# Altium PCB GEM_AFE_128.PcbDoc (part 8 of 18)
Units mm, origin at the board's own origin, x right, y up, seen from the top; angles counter-clockwise.
Board outline 112 x 81.5 mm, 8 copper layers (Top Layer, L1, L2, L3, L4, L5, L6, Bottom Layer), stack 1.52 mm thick; 1880 components, 1258 nets, 6287 pads, 2369 vias.
Unrouted connection lines stored in the file: 4.
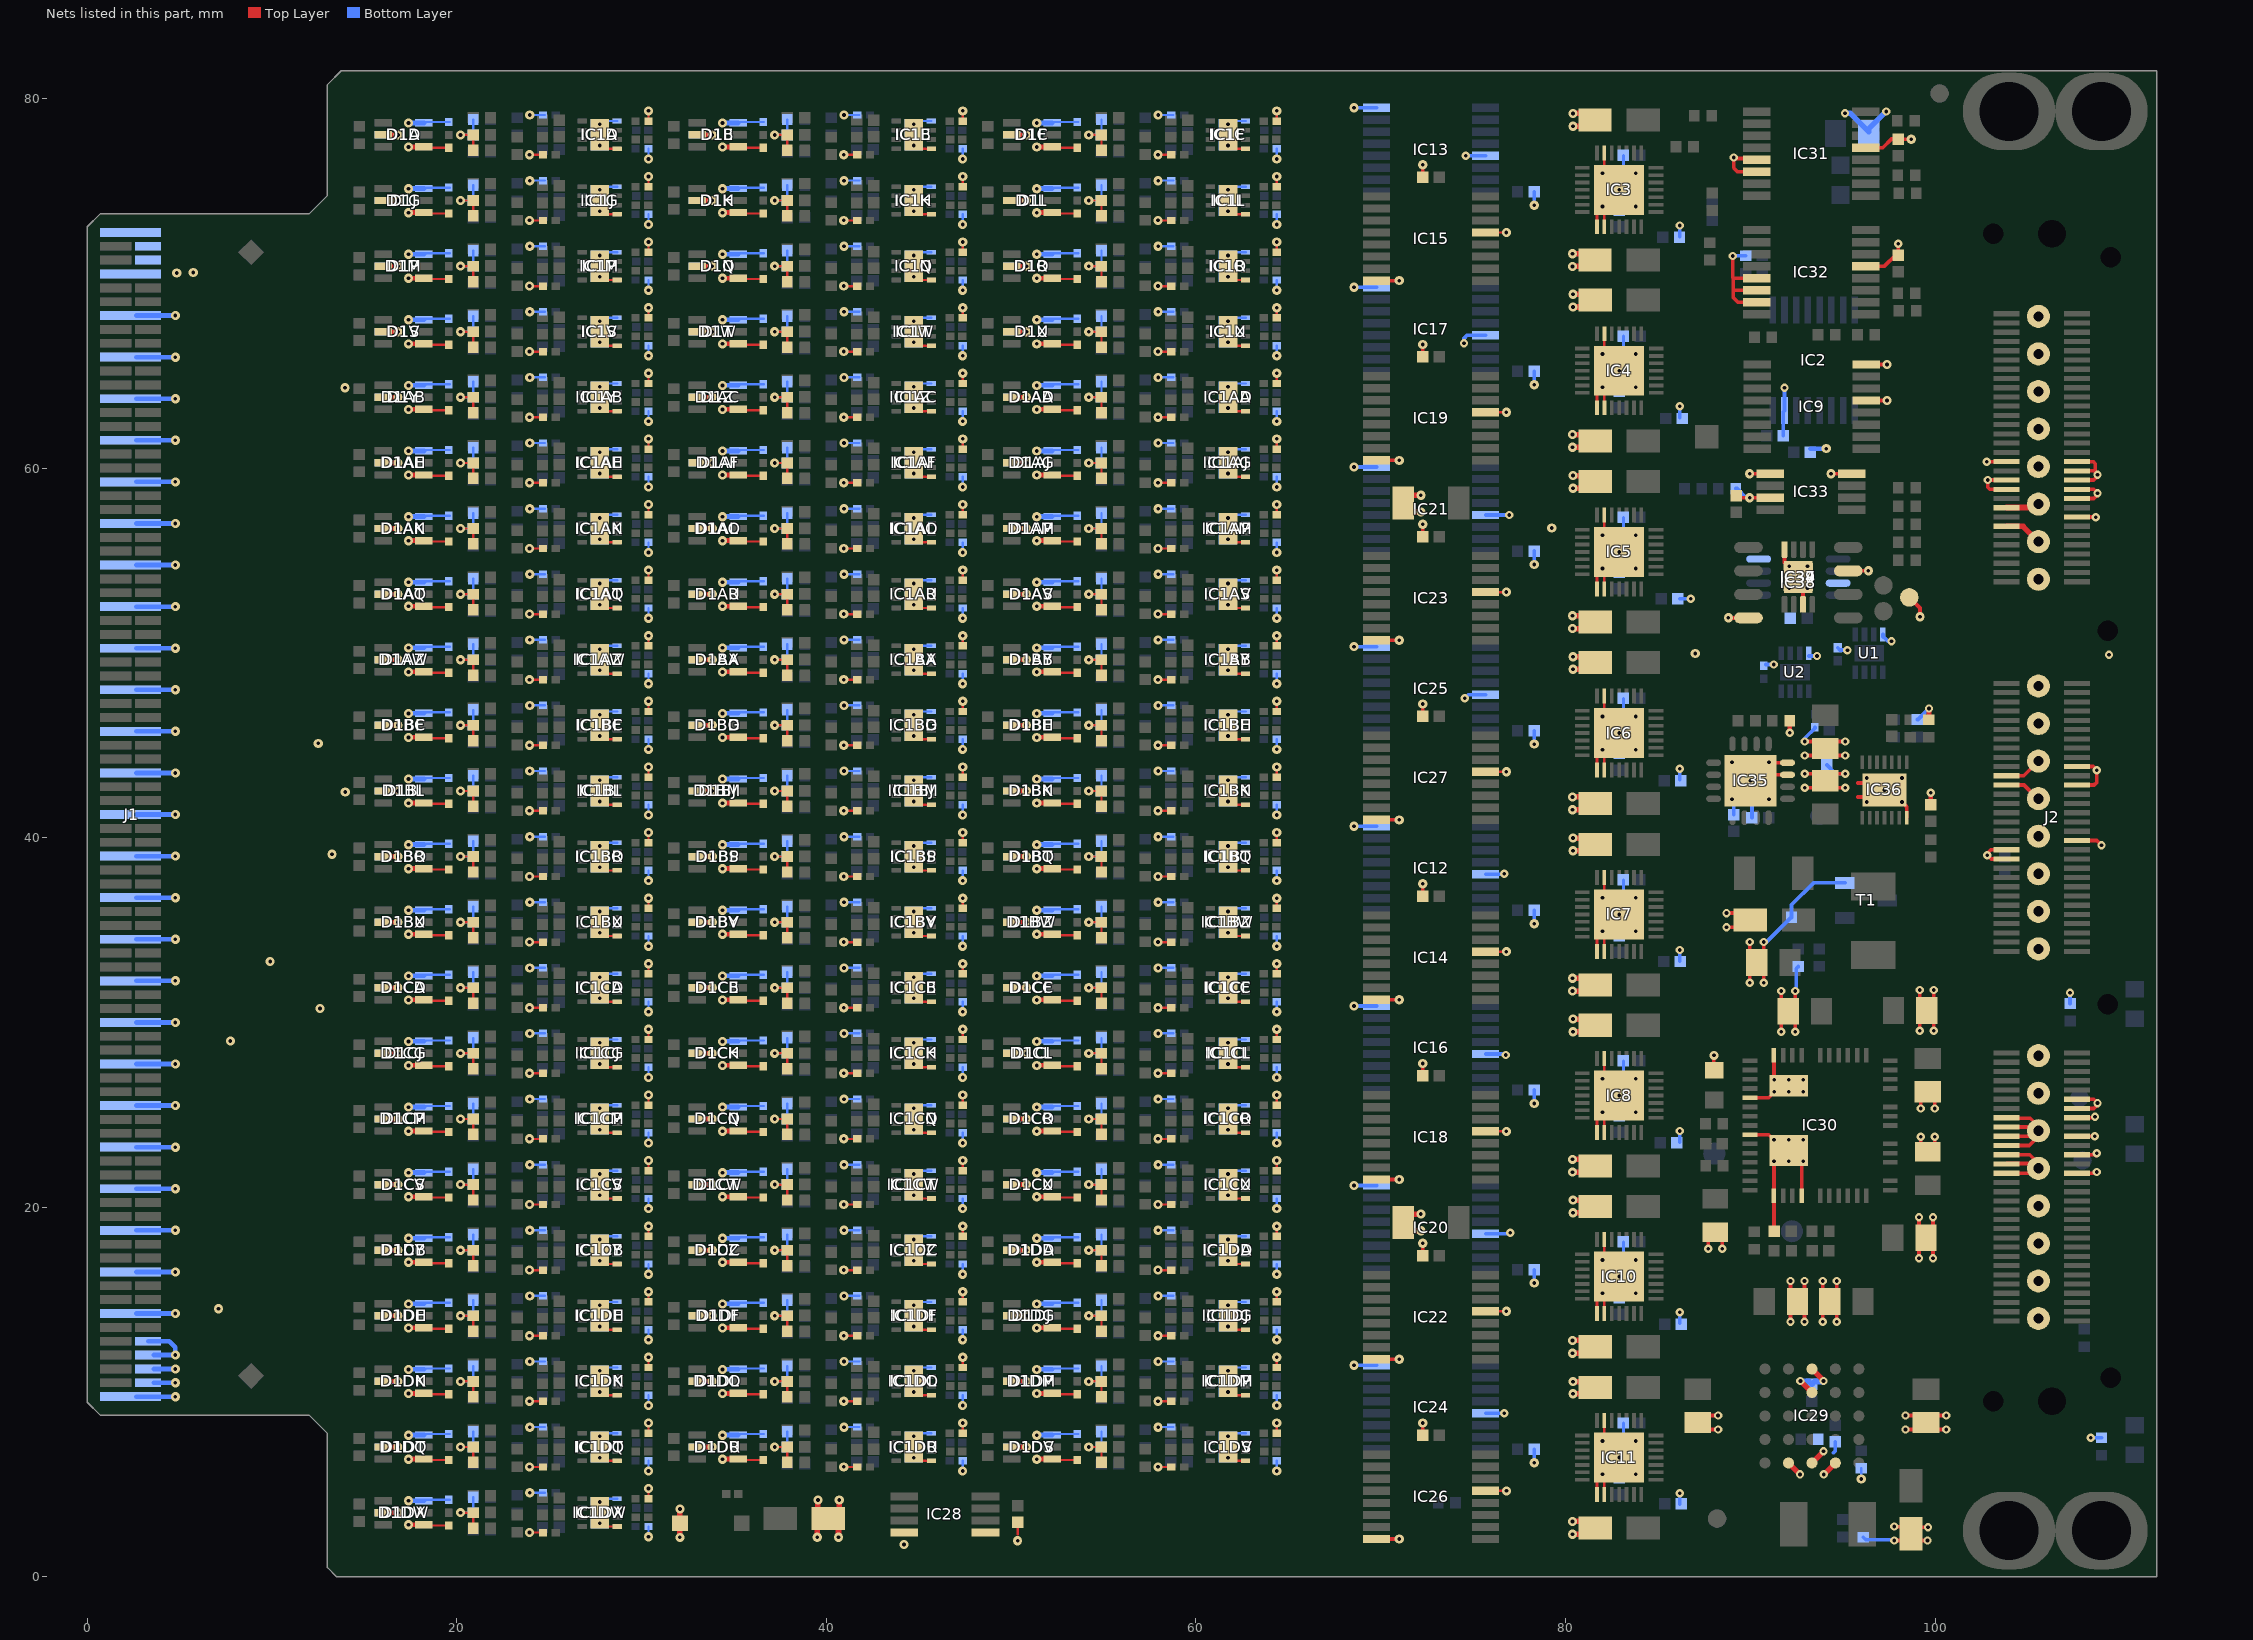
[diagram p14: the nets of this part, all layers, seen from the top]

## Via types
v1: diameter 0.5, hole 0.2, Top Layer to Bottom Layer, tented both sides, 1849 vias
v2: diameter 0.45, hole 0.2, Top Layer to Bottom Layer, tented both sides, 506 vias
v3: diameter 0.45, hole 0.2, Top Layer to Bottom Layer, 14 vias

## Nets (pads, with @x,y where several pads share a name; then routed paths per layer and width w, separated by ;. In a path a pad name is that pad's centre, name@x,y a point inside that pad or via, vN(x,y) a via of type N, cw(c..) or ccw(c..) an arc to the next point about the centre after c; other vN are vias at no path point) (continued)
GND: B3.1 C3A.1 C3AA.1 C3AB.1 C3AC.1 C3AD.1 C3AE.1 C3AF.1 C3AG.1 C3AH.1 C3AI.1 C3AJ.1 C3AK.1 C3AL.1 C3AM.1 C3AN.1 C3AO.1 C3AP.1 C3AQ.1 C3AR.1 C3AS.1 C3AT.1 C3AU.1 C3AV.1 C3AW.1 C3AX.1 C3AY.1 C3AZ.1 C3B.1 C3BA.1 C3BB.1 C3BC.1 C3BD.1 C3BE.1 C3BF.1 C3BG.1 C3BH.1 C3BI.1 C3BJ.1 C3BK.1 C3BL.1 C3BM.1 C3BN.1 C3BO.1 C3BP.1 C3BQ.1 C3BR.1 C3BS.1 C3BT.1 C3BU.1 C3BV.1 C3BW.1 C3BX.1 C3BY.1 C3BZ.1 C3C.1 C3CA.1 C3CB.1 C3CC.1 C3CD.1 C3CE.1 C3CF.1 C3CG.1 C3CH.1 C3CI.1 C3CJ.1 C3CK.1 C3CL.1 C3CM.1 C3CN.1 C3CO.1 C3CP.1 C3CQ.1 C3CR.1 C3CS.1 C3CT.1 C3CU.1 C3CV.1 C3CW.1 C3CX.1 C3CY.1 C3CZ.1 C3D.1 C3DA.1 C3DB.1 C3DC.1 C3DD.1 C3DE.1 C3DF.1 C3DG.1 C3DH.1 C3DI.1 C3DJ.1 C3DK.1 C3DL.1 C3DM.1 C3DN.1 C3DO.1 C3DP.1 C3DQ.1 C3DR.1 C3DS.1 C3DT.1 C3DU.1 C3DV.1 C3DW.1 C3DX.1 C3E.1 C3F.1 C3G.1 C3H.1 C3I.1 C3J.1 C3K.1 C3L.1 C3M.1 C3N.1 C3O.1 C3P.1 C3Q.1 C3R.1 C3S.1 C3T.1 C3U.1 C3V.1 C3W.1 C3X.1 C3Y.1 C3Z.1 C4A.1 C4AA.1 C4AB.1 C4AC.1 C4AD.1 C4AE.1 C4AF.1 C4AG.1 C4AH.1 C4AI.1 C4AJ.1 C4AK.1 C4AL.1 C4AM.1 C4AN.1 C4AO.1 C4AP.1 C4AQ.1 C4AR.1 C4AS.1 C4AT.1 C4AU.1 C4AV.1 C4AW.1 C4AX.1 C4AY.1 C4AZ.1 C4B.1 C4BA.1 C4BB.1 C4BC.1 C4BD.1 C4BE.1 C4BF.1 C4BG.1 C4BH.1 C4BI.1 C4BJ.1 C4BK.1 C4BL.1 C4BM.1 C4BN.1 C4BO.1 C4BP.1 C4BQ.1 C4BR.1 C4BS.1 C4BT.1 C4BU.1 C4BV.1 C4BW.1 C4BX.1 C4BY.1 C4BZ.1 C4C.1 C4CA.1 C4CB.1 C4CC.1 C4CD.1 C4CE.1 C4CF.1 C4CG.1 C4CH.1 C4CI.1 C4CJ.1 C4CK.1 C4CL.1 C4CM.1 C4CN.1 C4CO.1 C4CP.1 C4CQ.1 C4CR.1 C4CS.1 C4CT.1 C4CU.1 C4CV.1 C4CW.1 C4CX.1 C4CY.1 C4CZ.1 C4D.1 C4DA.1 C4DB.1 C4DC.1 C4DD.1 C4DE.1 C4DF.1 C4DG.1 C4DH.1 C4DI.1 C4DJ.1 C4DK.1 C4DL.1 C4DM.1 C4DN.1 C4DO.1 C4DP.1 C4DQ.1 C4DR.1 C4DS.1 C4DT.1 C4DU.1 C4DV.1 C4DW.1 C4DX.1 C4E.1 C4F.1 C4G.1 C4H.1 C4I.1 C4J.1 C4K.1 C4L.1 C4M.1 C4N.1 C4O.1 C4P.1 C4Q.1 C4R.1 C4S.1 C4T.1 C4U.1 C4V.1 C4W.1 C4X.1 C4Y.1 C4Z.1 C5.1 C6A.1 C6AA.1 C6AB.1 C6AC.1 C6AD.1 C6AE.1 C6AF.1 C6AG.1 C6AH.1 C6AI.1 C6AJ.1 C6AK.1 C6AL.1 C6AM.1 C6AN.1 C6AO.1 C6AP.1 C6AQ.1 C6AR.1 C6AS.1 C6AT.1 C6AU.1 C6AV.1 C6AW.1 C6AX.1 C6AY.1 C6AZ.1 C6B.1 C6BA.1 C6BB.1 C6BC.1 C6BD.1 C6BE.1 C6BF.1 C6BG.1 C6BH.1 C6BI.1 C6BJ.1 C6BK.1 C6BL.1 C6BM.1 C6BN.1 C6BO.1 C6BP.1 C6BQ.1 C6BR.1 C6BS.1 C6BT.1 C6BU.1 C6BV.1 C6BW.1 C6BX.1 C6BY.1 C6BZ.1 C6C.1 C6CA.1 C6CB.1 C6CC.1 C6CD.1 C6CE.1 C6CF.1 C6CG.1 C6CH.1 C6CI.1 C6CJ.1 C6CK.1 C6CL.1 C6CM.1 C6CN.1 C6CO.1 C6CP.1 C6CQ.1 C6CR.1 C6CS.1 C6CT.1 C6CU.1 C6CV.1 C6CW.1 C6CX.1 C6CY.1 C6CZ.1 C6D.1 C6DA.1 C6DB.1 C6DC.1 C6DD.1 C6DE.1 C6DF.1 C6DG.1 C6DH.1 C6DI.1 C6DJ.1 C6DK.1 C6DL.1 C6DM.1 C6DN.1 C6DO.1 C6DP.1 C6DQ.1 C6DR.1 C6DS.1 C6DT.1 C6DU.1 C6DV.1 C6DW.1 C6DX.1 C6E.1 C6F.1 C6G.1 C6H.1 C6I.1 C6J.1 C6K.1 C6L.1 C6M.1 C6N.1 C6O.1 C6P.1 C6Q.1 C6R.1 C6S.1 C6T.1 C6U.1 C6V.1 C6W.1 C6X.1 C6Y.1 C6Z.1 C7.1 C9.1 C10.1 C11.2 C12.1 C13.2 C14.1 C15.2 C16.1 C17.2 C18.1 C19.1 C20.1 C21.2 C22.1 C23.2 C24.1 C25.2 C26.1 C27.2 C28.1 C29.1 C30.1 C31.2 C32.1 C33.2 C34.1 C35.2 C36.1 C37.2 C38.1 C39.1 C40.1 C41.1 C42.2 C43.1 C44.2 C45.1 C46.2 C47.1 C48.2 C49.1 C50.1 C51.1 C52.1 C53.1 C54.1 C55.1 C56.1 C57.1 C58.1 C59.1 C60.1 C61.1 C62.1 C63.1 C64.1 C65.1 C66.1 C67.1 C68.1 C69.1 C70.1 C71.1 C72.1 C73.1 C74.1 C75.2 C76.2 C77.1 C78.2 C79.2 C80.2 C81.1 C82.1 C83.1 C84.1 C85.2 C86.1 C88.1 C89.1 C90.1 C91.1 C94.1 C95.1 C96.1 C97.2 C98.1 C99.1 C100.2 D1A.2 D1A.4 D1AA.2 D1AA.4 D1AB.2 D1AB.4 D1AC.2 D1AC.4 D1AD.2 D1AD.4 D1AE.2 D1AE.4 D1AF.2 D1AF.4 D1AG.2 D1AG.4 D1AH.2 D1AH.4 D1AI.2 D1AI.4 D1AJ.2 D1AJ.4 D1AK.2 D1AK.4 D1AL.2 D1AL.4 D1AM.2 D1AM.4 D1AN.2 D1AN.4 D1AO.2 D1AO.4 D1AP.2 D1AP.4 D1AQ.2 D1AQ.4 D1AR.2 D1AR.4 D1AS.2 D1AS.4 D1AT.2 D1AT.4 D1AU.2 D1AU.4 D1AV.2 D1AV.4 D1AW.2 D1AW.4 D1AX.2 D1AX.4 D1AY.2 D1AY.4 D1AZ.2 D1AZ.4 D1B.2 D1B.4 D1BA.2 D1BA.4 D1BB.2 D1BB.4 D1BC.2 D1BC.4 D1BD.2 D1BD.4 D1BE.2 D1BE.4 D1BF.2 D1BF.4 D1BG.2 D1BG.4 D1BH.2 D1BH.4 D1BI.2 D1BI.4 D1BJ.2 D1BJ.4 D1BK.2 D1BK.4 D1BL.2 D1BL.4 D1BM.2 D1BM.4 D1BN.2 D1BN.4 D1BO.2 D1BO.4 D1BP.2 D1BP.4 D1BQ.2 D1BQ.4 D1BR.2 D1BR.4 D1BS.2 D1BS.4 D1BT.2 D1BT.4 D1BU.2 D1BU.4 D1BV.2 D1BV.4 D1BW.2 D1BW.4 D1BX.2 D1BX.4 D1BY.2 D1BY.4 D1BZ.2 D1BZ.4 D1C.2 D1C.4 D1CA.2 D1CA.4 D1CB.2 D1CB.4 D1CC.2 D1CC.4 D1CD.2 D1CD.4 D1CE.2 D1CE.4 D1CF.2 D1CF.4 D1CG.2 D1CG.4 D1CH.2 D1CH.4 D1CI.2 D1CI.4 D1CJ.2 D1CJ.4 D1CK.2 D1CK.4 D1CL.2 D1CL.4 D1CM.2 D1CM.4 D1CN.2 D1CN.4 D1CO.2 D1CO.4 D1CP.2 D1CP.4 D1CQ.2 D1CQ.4 D1CR.2 D1CR.4 D1CS.2 D1CS.4 D1CT.2 D1CT.4 D1CU.2 D1CU.4 D1CV.2 D1CV.4 D1CW.2 D1CW.4 D1CX.2 D1CX.4 D1CY.2 D1CY.4 D1CZ.2 D1CZ.4 D1D.2 D1D.4 D1DA.2 D1DA.4 D1DB.2 D1DB.4 D1DC.2 D1DC.4 D1DD.2 D1DD.4 D1DE.2 D1DE.4 D1DF.2 D1DF.4 D1DG.2 D1DG.4 D1DH.2 D1DH.4 D1DI.2 D1DI.4 D1DJ.2 D1DJ.4 D1DK.2 D1DK.4 D1DL.2 D1DL.4 D1DM.2 D1DM.4 D1DN.2 D1DN.4 D1DO.2 D1DO.4 D1DP.2 D1DP.4 D1DQ.2 D1DQ.4 D1DR.2 D1DR.4 D1DS.2 D1DS.4 D1DT.2 D1DT.4 D1DU.2 D1DU.4 D1DV.2 D1DV.4 D1DW.2 D1DW.4 D1DX.2 D1DX.4 D1E.2 D1E.4 D1F.2 D1F.4 D1G.2 D1G.4 D1H.2 D1H.4 D1I.2 D1I.4 D1J.2 D1J.4 D1K.2 D1K.4 D1L.2 D1L.4 D1M.2 D1M.4 D1N.2 D1N.4 D1O.2 D1O.4 D1P.2 D1P.4 D1Q.2 D1Q.4 D1R.2 D1R.4 D1S.2 D1S.4 D1T.2 D1T.4 D1U.2 D1U.4 D1V.2 D1V.4 D1W.2 D1W.4 D1X.2 D1X.4 D1Y.2 D1Y.4 D1Z.2 D1Z.4 D2.2 IC1A.5 IC1A.9 IC1AA.5 IC1AA.9 IC1AB.5 IC1AB.9 IC1AC.5 IC1AC.9 IC1AD.5 IC1AD.9 IC1AE.5 IC1AE.9 IC1AF.5 IC1AF.9 IC1AG.5 IC1AG.9 IC1AH.5 IC1AH.9 IC1AI.5 IC1AI.9 IC1AJ.5 IC1AJ.9 IC1AK.5 IC1AK.9 IC1AL.5 IC1AL.9 IC1AM.5 IC1AM.9 IC1AN.5 IC1AN.9 IC1AO.5 IC1AO.9 IC1AP.5 IC1AP.9 IC1AQ.5 IC1AQ.9 IC1AR.5 IC1AR.9 IC1AS.5 IC1AS.9 IC1AT.5 IC1AT.9 IC1AU.5 IC1AU.9 IC1AV.5 IC1AV.9 IC1AW.5 IC1AW.9 IC1AX.5 IC1AX.9 IC1AY.5 IC1AY.9 IC1AZ.5 IC1AZ.9 IC1B.5 IC1B.9 IC1BA.5 IC1BA.9 IC1BB.5 IC1BB.9 IC1BC.5 IC1BC.9 IC1BD.5 IC1BD.9 IC1BE.5 IC1BE.9 IC1BF.5 IC1BF.9 IC1BG.5 IC1BG.9 IC1BH.5 IC1BH.9 IC1BI.5 IC1BI.9 IC1BJ.5 IC1BJ.9 IC1BK.5 IC1BK.9 IC1BL.5 IC1BL.9 IC1BM.5 IC1BM.9 IC1BN.5 IC1BN.9 IC1BO.5 IC1BO.9 IC1BP.5 IC1BP.9 IC1BQ.5 IC1BQ.9 IC1BR.5 IC1BR.9 IC1BS.5 IC1BS.9 IC1BT.5 IC1BT.9 IC1BU.5 IC1BU.9 IC1BV.5 IC1BV.9 IC1BW.5 IC1BW.9 IC1BX.5 IC1BX.9 IC1BY.5 IC1BY.9 IC1BZ.5 IC1BZ.9 IC1C.5 IC1C.9 IC1CA.5 IC1CA.9 IC1CB.5 IC1CB.9 IC1CC.5 IC1CC.9 IC1CD.5 IC1CD.9 IC1CE.5 IC1CE.9 IC1CF.5 IC1CF.9 IC1CG.5 IC1CG.9 IC1CH.5 IC1CH.9 IC1CI.5 IC1CI.9 IC1CJ.5 IC1CJ.9 IC1CK.5 IC1CK.9 IC1CL.5 IC1CL.9 IC1CM.5 IC1CM.9 IC1CN.5 IC1CN.9 IC1CO.5 IC1CO.9 IC1CP.5 IC1CP.9 IC1CQ.5 IC1CQ.9 IC1CR.5 IC1CR.9 IC1CS.5 IC1CS.9 IC1CT.5 IC1CT.9 IC1CU.5 IC1CU.9 IC1CV.5 IC1CV.9 IC1CW.5 IC1CW.9 IC1CX.5 IC1CX.9 IC1CY.5 IC1CY.9 IC1CZ.5 IC1CZ.9 IC1D.5 IC1D.9 IC1DA.5 IC1DA.9 IC1DB.5 IC1DB.9 IC1DC.5 IC1DC.9 IC1DD.5 IC1DD.9 IC1DE.5 IC1DE.9 IC1DF.5 IC1DF.9 IC1DG.5 IC1DG.9 IC1DH.5 IC1DH.9 IC1DI.5 IC1DI.9 IC1DJ.5 IC1DJ.9 IC1DK.5 IC1DK.9 IC1DL.5 IC1DL.9 IC1DM.5 IC1DM.9 IC1DN.5 IC1DN.9 IC1DO.5 IC1DO.9 IC1DP.5 IC1DP.9 IC1DQ.5 IC1DQ.9 IC1DR.5 IC1DR.9 IC1DS.5 IC1DS.9 IC1DT.5 IC1DT.9 IC1DU.5 IC1DU.9 IC1DV.5 IC1DV.9 IC1DW.5 IC1DW.9 IC1DX.5 IC1DX.9 IC1E.5 IC1E.9 IC1F.5 IC1F.9 IC1G.5 IC1G.9 IC1H.5 IC1H.9 IC1I.5 IC1I.9 IC1J.5 IC1J.9 IC1K.5 IC1K.9 IC1L.5 IC1L.9 IC1M.5 IC1M.9 IC1N.5 IC1N.9 IC1O.5 IC1O.9 IC1P.5 IC1P.9 IC1Q.5 IC1Q.9 IC1R.5 IC1R.9 IC1S.5 IC1S.9 IC1T.5 IC1T.9 IC1U.5 IC1U.9 IC1V.5 IC1V.9 IC1W.5 IC1W.9 IC1X.5 IC1X.9 IC1Y.5 IC1Y.9 IC1Z.5 IC1Z.9 IC2.15 IC3.6 IC3.15 IC3.16 IC3.29 IC4.6 IC4.15 IC4.16 IC4.29 IC5.6 IC5.15 IC5.16 IC5.29 IC6.6 IC6.15 IC6.16 IC6.29 IC7.6 IC7.15 IC7.16 IC7.29 IC8.6 IC8.15 IC8.16 IC8.29 IC9.5 IC9.8 IC10.6 IC10.15 IC10.16 IC10.29 IC11.6 IC11.15 IC11.16 IC11.29 IC12.8 IC12.13 IC13.8 IC13.13 IC14.8 IC14.13 IC15.8 IC15.13 IC16.8 IC16.13 IC17.8 IC17.13 IC18.8 IC18.13 IC19.8 IC19.13 IC20.8 IC20.13 IC21.8 IC21.13 IC22.8 IC22.13 IC23.8 IC23.13 IC24.8 IC24.13 IC25.8 IC25.13 IC26.8 IC26.13 IC27.8 IC27.13 IC28.4 IC28.5 IC29.B5 IC29.C1 IC29.C2 IC29.C5 IC29.D5 IC30.26 IC30.31 IC30.35 IC30.42 IC30.45 IC30.53 IC30.54 IC31.5 IC31.6 IC31.13 IC32.5 IC32.6 IC32.7 IC32.13 IC33.4 IC33.5 IC33.7 IC34.4 IC34.7 IC34.9 IC35.7 IC35.8 IC35.17 IC36.7 IC36.15 IC37.4 IC37.7 IC37.9 IC38.4 IC38.7 IC39.4 IC39.7 J1.86 J1.87 J1.88 J1.89 J1.92 J1.95 J1.98 J1.101 J1.104 J1.107 J1.110 J1.113 J1.116 J1.119 J1.122 J1.125 J1.128 J1.131 J1.134 J1.137 J1.140 J1.143 J1.146 J1.149 J1.152 J1.155 J1.158 J1.161 J1.164 J1.166 J1.167 J1.168 J1.169 J1.170 J2.33 J2.34 J2.36 J2.37 J2.38 J2.39 J2.40 J2.42 J2.43 J2.46 J2.47 J2.80 J2.81 J2.83 J2.84 J2.96 J2.97 J2.99 J2.132 J2.134 J2.135 J2.136 J2.137 J2.139 J2.140 J2.141 J2.143 J2.144 J2.145 J2.147 J2.148 J2.181 J2.182 J2.183 J2.184 J2.185 J2.186 J2.187 J2.188 J2.189 J2.190 J2.191 J2.192 J2.193 J2.194 J2.195 J2.196 J2.197 J2.198 J2.199 J2.200 J2.201 J2.202 J2.203 J2.204 R1A.1 R1AA.1 R1AB.1 R1AC.1 R1AD.1 R1AE.1 R1AF.1 R1AG.1 R1AH.1 R1AI.1 R1AJ.1 R1AK.1 R1AL.1 R1AM.1 R1AN.1 R1AO.1 R1AP.1 R1AQ.1 R1AR.1 R1AS.1 R1AT.1 R1AU.1 R1AV.1 R1AW.1 R1AX.1 R1AY.1 R1AZ.1 R1B.1 R1BA.1 R1BB.1 R1BC.1 R1BD.1 R1BE.1 R1BF.1 R1BG.1 R1BH.1 R1BI.1 R1BJ.1 R1BK.1 R1BL.1 R1BM.1 R1BN.1 R1BO.1 R1BP.1 R1BQ.1 R1BR.1 R1BS.1 R1BT.1 R1BU.1 R1BV.1 R1BW.1 R1BX.1 R1BY.1 R1BZ.1 R1C.1 R1CA.1 R1CB.1 R1CC.1 R1CD.1 R1CE.1 R1CF.1 R1CG.1 R1CH.1 R1CI.1 R1CJ.1 R1CK.1 R1CL.1 R1CM.1 R1CN.1 R1CO.1 R1CP.1 R1CQ.1 R1CR.1 R1CS.1 R1CT.1 R1CU.1 R1CV.1 R1CW.1 R1CX.1 R1CY.1 R1CZ.1 R1D.1 R1DA.1 R1DB.1 R1DC.1 R1DD.1 R1DE.1 R1DF.1 R1DG.1 R1DH.1 R1DI.1 R1DJ.1 R1DK.1 R1DL.1 R1DM.1 R1DN.1 R1DO.1 R1DP.1 R1DQ.1 R1DR.1 R1DS.1 R1DT.1 R1DU.1 R1DV.1 R1DW.1 R1DX.1 R1E.1 R1F.1 R1G.1 R1H.1 R1I.1 R1J.1 R1K.1 R1L.1 R1M.1 R1N.1 R1O.1 R1P.1 R1Q.1 R1R.1 R1S.1 R1T.1 R1U.1 R1V.1 R1W.1 R1X.1 R1Y.1 R1Z.1 R2A.1 R2AA.1 R2AB.1 R2AC.1 R2AD.1 R2AE.1 R2AF.1 R2AG.1 R2AH.1 R2AI.1 R2AJ.1 R2AK.1 R2AL.1 R2AM.1 R2AN.1 R2AO.1 R2AP.1 R2AQ.1 R2AR.1 R2AS.1 R2AT.1 R2AU.1 R2AV.1 R2AW.1 R2AX.1 R2AY.1 R2AZ.1 R2B.1 R2BA.1 R2BB.1 R2BC.1 R2BD.1 R2BE.1 R2BF.1 R2BG.1 R2BH.1 R2BI.1 R2BJ.1 R2BK.1 R2BL.1 R2BM.1 R2BN.1 R2BO.1 R2BP.1 R2BQ.1 R2BR.1 R2BS.1 R2BT.1 R2BU.1 R2BV.1 R2BW.1 R2BX.1 R2BY.1 R2BZ.1 R2C.1 R2CA.1 R2CB.1 R2CC.1 R2CD.1 R2CE.1 R2CF.1 R2CG.1 R2CH.1 R2CI.1 R2CJ.1 R2CK.1 R2CL.1 R2CM.1 R2CN.1 R2CO.1 R2CP.1 R2CQ.1 R2CR.1 R2CS.1 R2CT.1 R2CU.1 R2CV.1 R2CW.1 R2CX.1 R2CY.1 R2CZ.1 R2D.1 R2DA.1 R2DB.1 R2DC.1 R2DD.1 R2DE.1 R2DF.1 R2DG.1 R2DH.1 R2DI.1 R2DJ.1 R2DK.1 R2DL.1 R2DM.1 R2DN.1 R2DO.1 R2DP.1 R2DQ.1 R2DR.1 R2DS.1 R2DT.1 R2DU.1 R2DV.1 R2DW.1 R2DX.1 R2E.1 R2F.1 R2G.1 R2H.1 R2I.1 R2J.1 R2K.1 R2L.1 R2M.1 R2N.1 R2O.1 R2P.1 R2Q.1 R2R.1 R2S.1 R2T.1 R2U.1 R2V.1 R2W.1 R2X.1 R2Y.1 R2Z.1 R14.1 R15.1 R17.1 R20.1 R25.1 R42.1 R43.1 R44.1 R45.1 R51.1 R52.1 R53.1 R54.1 R55.1 T1.2 U1.4 U2.4 | length 1245.5